# KiCad board VNA.kicad_pcb (continued)
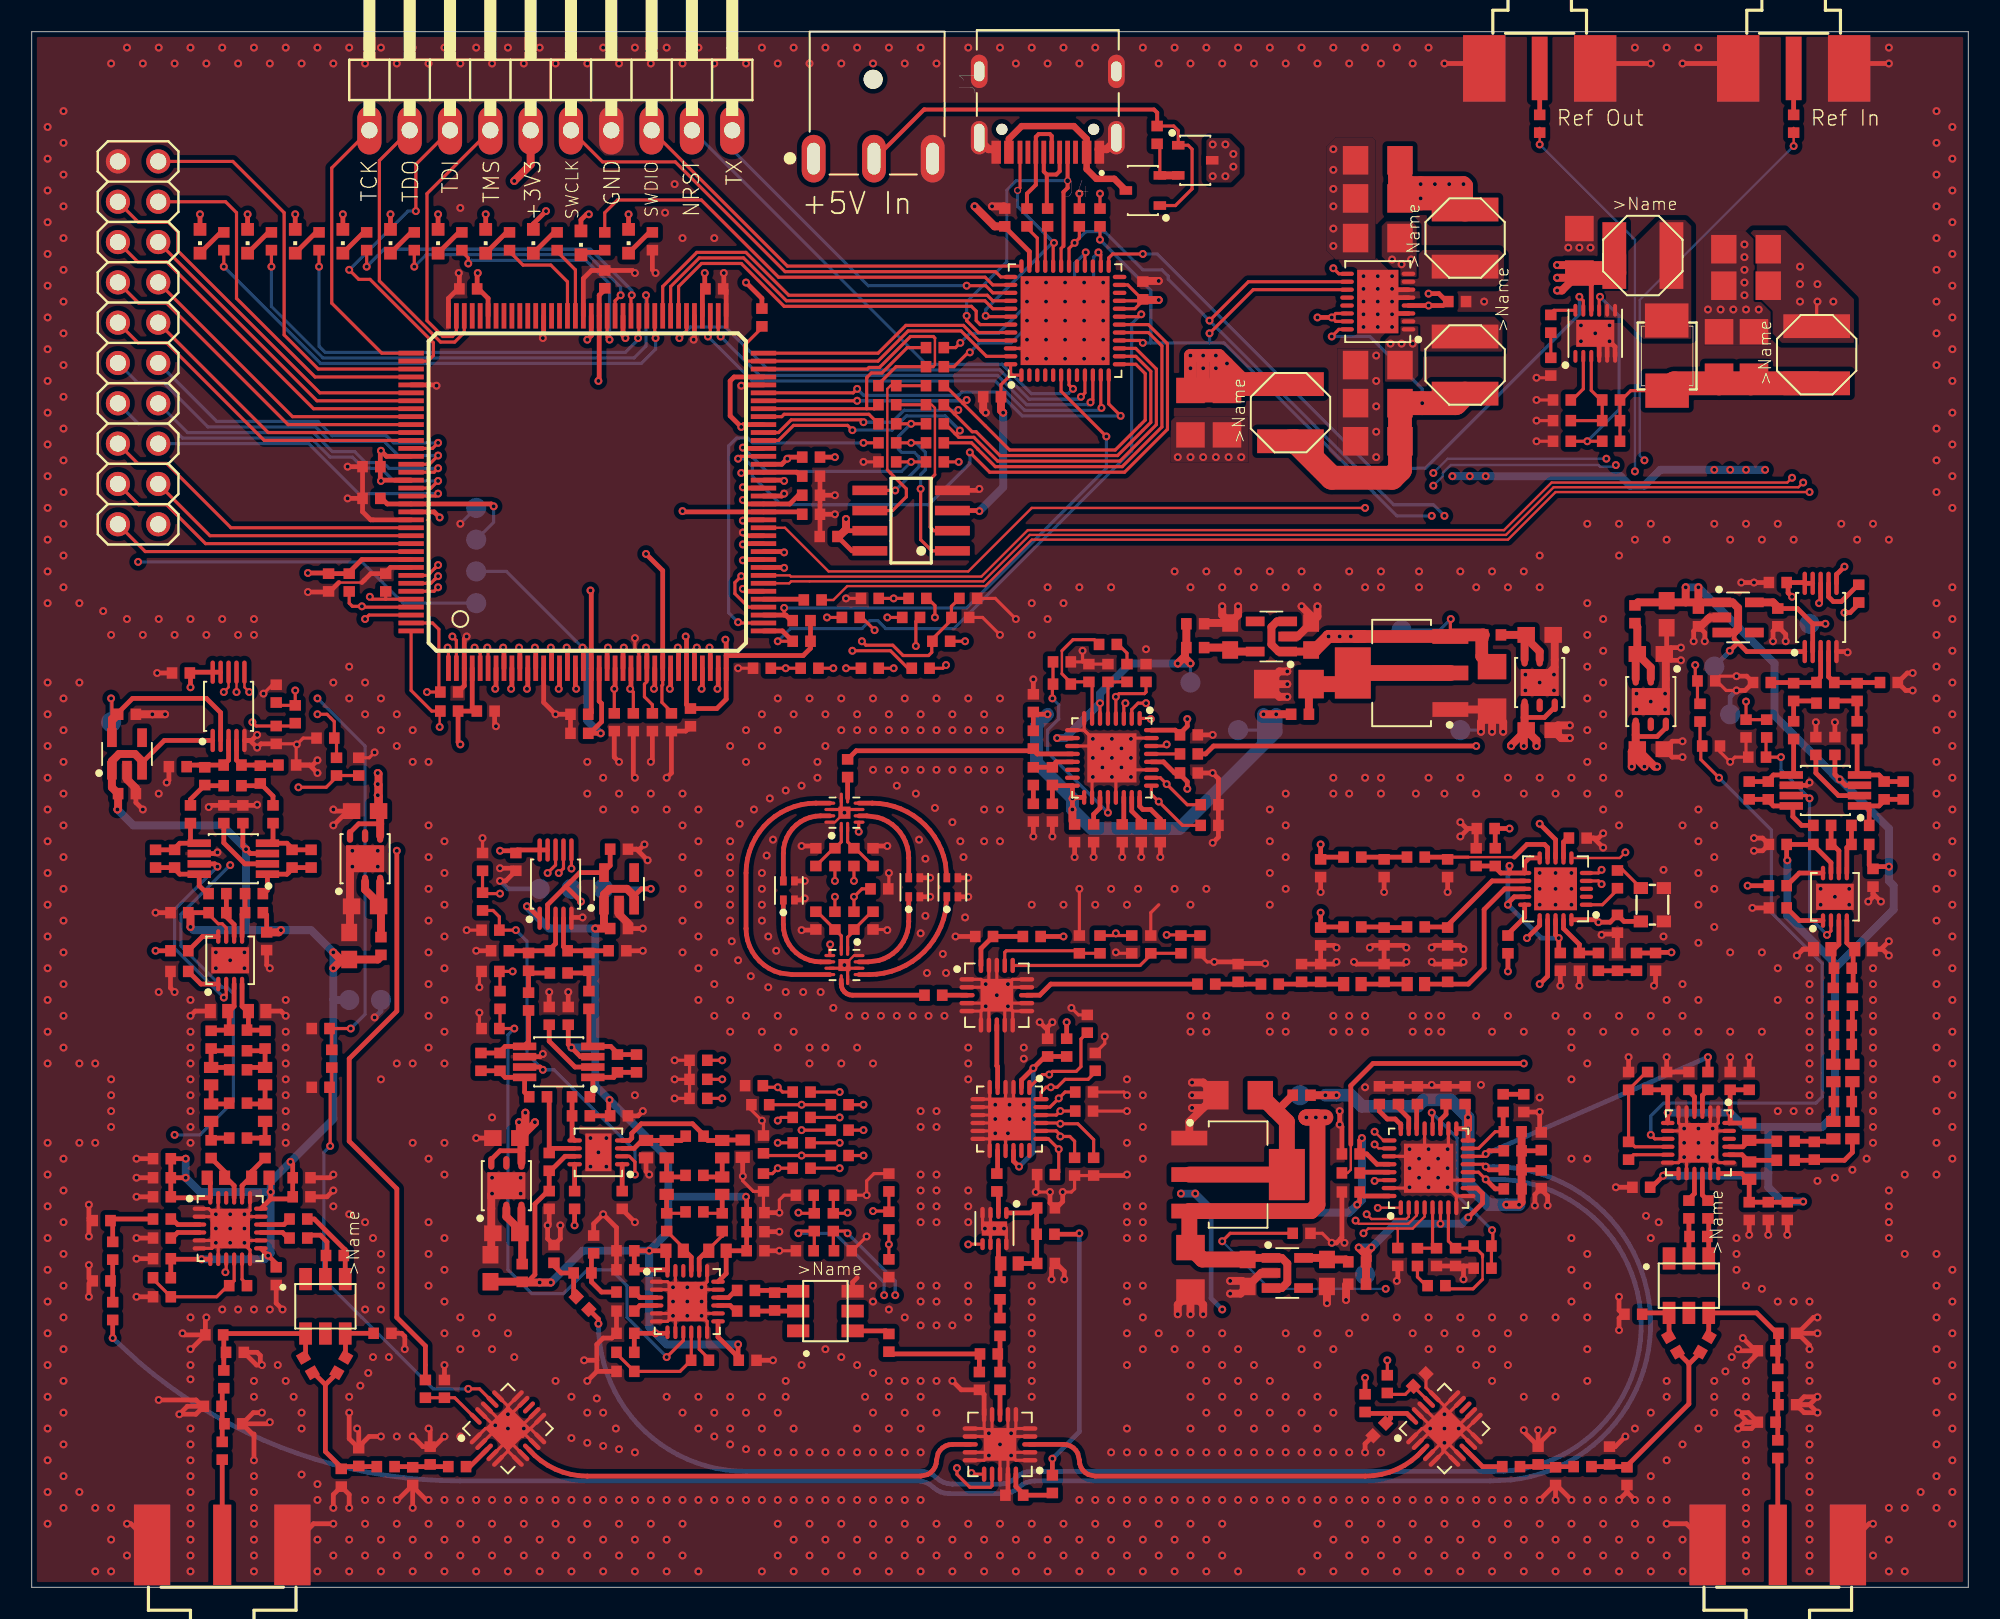
[diagram p0: board, top side]
## Nets (continued)
Net-(JP2-Pad13): JP2.13 U2.P117
Net-(JP2-Pad14): JP2.14 U2.P118
Net-(JP2-Pad15): JP2.15 U2.P115
Net-(JP2-Pad16): JP2.16 U2.P116
Net-(JP2-Pad17): JP2.17 U2.P112
Net-(JP2-Pad18): JP2.18 U2.P114
Net-(JP2-Pad19): JP2.19 U2.P111
Net-(LED1-PadC): LED1.C R120.1
Net-(LED2-PadC): LED2.C R134.1
Net-(LED3-PadC): LED3.C R135.1
Net-(LED4-PadC): LED4.C R136.1
Net-(LED5-PadC): LED5.C R137.1
Net-(LED6-PadC): LED6.C R138.1
Net-(LED7-PadC): LED7.C R139.1
Net-(LED8-PadC): LED8.C R140.1
Net-(LED9-PadC): LED9.C R141.1
Net-(LED10-PadC): LED10.C R142.1
Net-(Q1-Pad2): Q1.2 Q2.2 R125.2
Net-(R26-Pad2): R26.2 R27.2 R29.1
Net-(R42-Pad1): R42.1 R43.2 R44.1 R45.2 R46.2
Net-(R45-Pad1): R45.1 R48.1 R49.2 R52.2 T1.6
Net-(R46-Pad1): R46.1 R50.1 T1.4
Net-(R69-Pad1): R69.1 R70.2 R71.1 R72.2 R73.2
Net-(R72-Pad1): R72.1 R75.1 R77.2 R79.2 T2.4
Net-(R73-Pad1): R73.1 R76.1 T2.6
Net-(R104-Pad2): R104.2 R111.1 U1.6
Net-(R105-Pad2): R105.2 R112.1 U1.5
Net-(R106-Pad2): R106.2 R113.1 U1.2
Net-(R107-Pad2): R107.2 R114.1 U1.1
Net-(R123-Pad2): R123.2 U2.P43
Net-(R124-Pad2): R124.2 U2.P41
Net-(R126-Pad2): R126.2 U2.P50
Net-(R135-Pad2): R135.2 U2.P92
Net-(R136-Pad2): R136.2 U2.P93
Net-(R137-Pad2): R137.2 U2.P88
Net-(R138-Pad2): R138.2 U2.P87
Net-(R139-Pad2): R139.2 U2.P85
Net-(R140-Pad2): R140.2 U2.P84
Net-(R141-Pad2): R141.2 U2.P83
Net-(R142-Pad2): R142.2 U2.P82

Pads without a net: IC1 1; IC2 12 13; IC3 5; IC4 5; IC5 5; IC6 5; IC7 2 3; IC9 4; IC10 14 15; IC14 17 18; IC17 13; IC18 13; IC20 4; IC24 22; IC25 4; IC29 22; IC30 4; IC33 22; IC34 4; IC37 2 3 4 5 8 22 24 27 29; J4 A8 B8; T1 1 5; T2 1 5; T3 1 5; U2 P94 P95 P97 P98 P99 P100 P101 P102 P104 P105

## Via types
v1: diameter 0.5, hole 0.25, 1_top to 4_bot, 2136 vias
v2: diameter 0.45, hole 0.3, 1_top to 4_bot, 2 vias

## Routing (per net, layer and track width the routed paths; a pad name or vN(x,y) marks a point on that pad's centre or on a via; arc(x,y) is an arc through that point)
+3V3: length 386.6
  1_top w0.2: L27.1 24.8,14 ; IC37.23 69.05,82.05 70,81.1 ; 70,81.1 C207.1 69.91,81.05 IC37.21 ; 70,81.1 70,81.05 69.5,80.55 IC37.20 ; IC37.1 61.67,76.37 ; 61.67,76.37 IC37.48 ; 61.67,76.37 61.06,75.76 C206.1 ; R108.1 v1(58.4,70.9) ; R117.2 v1(66,87.8) ; R116.2 v1(67.3,87.8) ; C15.1 v1(73,76.8) ; U1.8 51.67,65.3
  1_top w0.3: IC26.9 IC26.10 10.1,57.65 10.05,57.6 C132.2 10,57.56 v1(10,56.7) 10.05,56.75 ; U2.P135 20.8,64.75 20,63.95 R130.2 C218.1 18.66,63.9 v1(17.4,63.9) 17.45,63.95 ; U2.P4 27.75,55.4 27.95,55.2 C216.1 R132.2 26.86,53.24 v1(27,53.1) ; U2.P20 35.75,55.82 35.9,55.67 35.9,54.53 35.17,53.8 C210.1 v1(35.85,53.8) ; IC10.28 71.3,52 72,51.3 C54.1 72.34,51.21 72.8,50.75 v1(72.8,50.3) ; R128.2 R127.2 49.06,59.16 48.6,58.7 43.75,58.7 ; IC21.28 84.75,26.65 84.1,27.3 C83.1 83.66,28.16 v1(83.8,28.3) ; C214.1 48.3,68.8 47.75,68.25 U2.P53 45.05,68.25 v1(44.8,68.5) ; L27.1 24.8,15.2 23,17 23,25.1 20,28.1 20,33.3 23,36.3 v1(23,46.4) ; IC35.9 IC35.10 30.6,46.45 30.5,46.35 C201.2 30.36,46.4 v1(29.5,46.4) 29.55,46.35 ; L25.2 v1(64.3,8.1) ; v1(66,22.3) 65.94,22.24 L23.1 ; L21.1 v1(65,41) ; v1(72.8,54.7) 72.8,54.25 72.34,53.79 C55.1 72.04,54 IC10.32 ; IC31.9 IC31.10 111.65,63.3 C169.2 110.65,63.21 110.65,62.65 v1(110.9,62.4) ; C29.2 92.2,47.8 ; 92.2,47.8 v1(93.1,47.8) ; 92.2,47.8 L10.1 ; IC7.20 98.55,42.05 v1(98.7,41.9) 99.44,41.9 C31.2 100.31,41.95 Y1.4 ; U2.P63 44.85,73.25 v1(44.7,73.1) 44,73.8 44,76 44.25,76.25 U2.P69 ; R121.2 v1(50.6,71.2) ; U2.P18 34.75,59.15 v1(34.7,59.2) ; v1(41.2,59.9) 41.25,59.85 U2.P31 41.25,55.61 C212.1 43.16,55.36 43.75,55.95 U2.P36 43.75,58.7 ; 43.75,58.7 43.75,59.65 v1(43.7,59.7) ; U2.P42 44.95,62.75 v1(44.8,62.9) ; 22.9,69.75 U2.P125 22.05,69.75 ; 22.05,69.75 v1(22,69.7) ; 22.05,69.75 21.96,69.84 C222.1 21.96,71.56 v1(22,71.6) 22.35,71.25 U2.P122 ; 42.35,82.75 v1(42.4,82.8) 42.4,81.84 ; v1(28.1,82.8) 28.15,82.75 28.06,82.66 C221.1 28.15,81.8 28.75,81.2 U2.P103 ; U2.P90 35.25,78.85 v1(35,78.6) ; R129.2 46,81.2 v1(45,82.2) ; v1(32.4,86.7) 31.6,85.9 LED3.A ; LED4.A v1(28.6,86.5) ; LED5.A v1(25.6,86.5) ; LED6.A v1(22.6,86.5) ; LED7.A v1(19.6,86.5) ; LED8.A v1(16.6,86.5) ; LED9.A v1(13.6,86.5) ; LED10.A v1(10.6,86.5) ; U1.7 51.22,66.57 ; U1.3 59.67,67.84 v1(59.7,67.8) ; IC37.35 62.85,84.15 61.35,85.65 ; LED2.A v1(37.6,86.5) ; v1(35.1,86.5) 34.95,86.5 34.6,86.15 LED1.A ; U2.P86 37.25,78.85 v1(37.4,78.7) ; U2.P76 42.25,81.7 42.35,81.8 C220.1 ; L22.1 v1(65.2,35.6) ; L26.1 v1(84,13.2) ; U2.P129 25.35,67.75 v1(25.7,67.4) ; 42.4,81.84 C220.1 ; 42.4,81.84 C220.1 ; 51.67,65.3 C209.1 ; v1(83.5,24.1) 83.66,24.26 C84.1 83.91,24.65 IC21.32
  1_top w0.5: JP1.5 31.43,89.63 v1(30.4,88.6) ; v1(51.3,67.3) 51.3,66.65 50.85,66.2 C209.1 ; C206.1 61.06,74.14 v1(61.2,74) ; v1(59.4,87) 60.66,85.74 C208.1 61.35,85.69 61.35,85.65 ; v1(71,81.1) 70.04,81.1 C207.1
  1_top w0.813: C15.1 v1(73,77.6) 74.8,77.6 v1(75.3,77.1) 76.6,75.8 76.8,75.8 ; v1(73.8,77.6) 73.8,75.4 ; v1(74.6,77.6) 74.6,76.1 C14.1 75.3,76.1 v1(74.6,76.8)
  1_top w1.5: C15.1 C14.1 75.7,75.8 L4.P$2
  3_pwr w0.3: v1(65,41) 68.3,37.7 68.4,37.7 ; 66,35.3 65.5,35.3 v1(65.2,35.6) ; v1(75,17.5) 79.3,13.2 v1(84,13.2)
  3_pwr w0.5: v1(23,46.4) 23,52 24.1,53.1 v1(27,53.1) ; v1(73.3,24.8) v1(72.4,24.8) 66,24.8 ; v1(93.1,47.8) 92.3,47 92.3,41.4 93.7,40 96.8,40 v1(98.7,41.9) 101.7,44.9 101.7,48 111.4,57.7 111.4,61.9 v1(110.9,62.4) ; 110.9,68.6 109.2,70.3
  3_pwr w1: v1(66,22.3) 66,35.3 68.4,37.7 ; 68.9,58.1 70.3,58.1 72.8,55.6 v1(72.8,54.7) v1(72.8,50.3)
  4_bot w0.2: TP2.TP 29.9,64 v1(34.7,59.2)
  4_bot w0.3: v1(64.3,8.1) 66,9.8 v1(66,22.3) ; v1(75,17.5) 74.3,18.2 74.3,23.4 74.5,23.6
  4_bot w0.5: v1(83.8,28.3) 83.8,24.4 v1(83.5,24.1) 83.15,23.75 83.13,23.75 82.98,23.6 74.5,23.6 v1(73.3,24.8) v1(72.4,24.8) ; v1(34.7,59.2) 35,58.9 35,54.6 35.8,53.8 v1(35.85,53.8) ; v1(89.5,70) v1(90.6,70) v1(91.6,70) 100.1,70 100.7,69.4 101.6,69.4 102.6,70.4 v1(109.2,70.4) ; v1(59.7,67.8) 61.2,69.3 v1(61.2,74)
  vias: v1(73.8,76.8) v1(106,70.4) v1(107,70.4) v1(108,70.4)
+5V: length 18
  1_top w0.2: IC2.15 82.15,79.75 v1(81.9,80) 82.15,80.25 IC2.14 ; C6.2 88.99,80.75 88.9,80.75
  1_top w0.3: IC2.4 v1(88,80.75) 88.9,80.75 ; 98.25,80.45 98.25,82.05 C1.1 ; v1(88,81.5) 88.65,81.5 89.15,81 C6.2 ; v1(81,80) v1(81.9,80)
  1_top w0.5: C1.1 97,83.3 v1(96.1,83.3) ; C1.1 97.2,82.5 v1(96.1,82.5) ; C1.1 96.4,81.7 v1(96.1,81.7)
  1_top w1.5: C1.1 99.7,82.8 L1.P$1
  vias: v1(74.4,90.9) v1(74.4,88.9) v1(75.2,90.9) v1(75.2,88.9) v1(75.7,90.3) v1(75.7,89.5) v1(85.6,78.35) v1(85.7,83.65) v1(86.3,83.35) v1(86.3,78.35) v1(86.9,83.65) v1(87,78.35)
GND: length 814.4
  1_top w0.15: IC12.12 51.8,39.8 v1(51.2,39.2) ; IC11.12 50.6,48.2 v1(51.2,48.8) ; 19.35,63.3 20.8,63.3 20.95,63.45
  1_top w0.2: IC24.2 11.65,23.35 12,23 ; 12,23 12.5,22.5 ; 12,23 11.15,23.85 IC24.1 ; 12,23 12.5,22.5 ; 12,23 11.75,23.25 11.75,24.53 ; 12.5,22.5 12.75,22.25 ; 12.5,22.5 12.75,22.25 ; 12.5,22.5 v1(12.5,22.6) ; 12.5,22.5 12.75,22.75 ; 12.5,22.5 12.75,22.25 ; 12.5,22.5 11.75,21.75 IC24.8 ; 12.5,22.5 11.85,21.85 IC24.5 ; 12.5,22.5 11.35,21.35 IC24.6 ; 12.75,22.25 13,22 12.75,22.25 ; 12.75,22.25 13.15,21.85 IC24.14 ; 12.75,22.25 13.75,21.25 IC24.12 ; 13.75,24.53 13.75,23.75 12.75,22.75 ; 12.75,22.75 13.35,23.35 IC24.17 ; IC18.4 30,9.29 ; 30,9.29 30,9.5 ; 30,9.29 IC18.7 ; 30,9.29 30,9.5 ; 30,9.5 v1(30,10) ; 30,9.5 30,8.59 ; 30,9.5 v1(30,10) ; 30,9.5 30,8.59 ; 30,9.5 v1(30,10) ; 30,9.5 30.91,9.5 IC18.11 ; 30,9.5 29.79,9.5 IC18.19 ; v1(30,10) 30.71,10 ; v1(30,10) 31.41,10 IC18.10 ; v1(30,10) 30.71,10 ; v1(30,10) 30,10.71 IC18.14 ; v1(30,10) 30,11.41 ; v1(30,10) 30,11.41 ; v1(30,10) IC18.18 ; v1(30,10) 29.29,10 IC18.2 ; v1(30,10) 28.59,10 IC18.1 ; IC18.5 30,8.59 ; 30,8.59 IC18.6 ; IC18.9 30.71,10 ; 30.71,10 IC18.12 ; IC18.15 30,11.41 ; 30,11.41 IC18.16 ; IC33.5 40.55,17.25 ; 40.55,17.25 41.15,17.85 ; 40.55,17.25 IC33.8 ; 40.55,17.25 41.15,17.85 ; 41.15,17.85 v1(41.3,18) 41.4,17.9 ; 41.15,17.85 40.05,16.75 IC33.6 ; 41.15,17.85 41.75,17.25 IC33.14 ; 41.15,17.85 41.4,18.1 ; 41.15,17.85 41,18 ; IC33.12 42.55,16.75 41.4,17.9 ; 41.4,17.9 40.05,19.25 IC33.1 ; IC33.17 42.05,18.75 41.4,18.1 ; 41.4,18.1 42.55,19.25 42.55,19.93 ; 40.55,19.93 40.55,18.45 41,18 ; 41,18 40.25,18.75 IC33.2 ; IC12.10 51.4,39 ; 51.4,39 v1(51.2,39.2) ; 51.4,39 IC12.8 ; 51.4,39 v1(51.2,39.2) ; v1(51.2,39.2) 51,39 IC12.5 ; IC11.10 51,49 ; 51,49 v1(51.2,48.8) ; 51,49 IC11.8 ; 51,49 v1(51.2,48.8) ; v1(51.2,48.8) 51.4,49 IC11.5 ; IC16.14 60.5,8.5 v1(61,9) ; v1(61,9) IC16.18 ; v1(61,9) 61.5,8.5 ; v1(61,9) 61.25,9.25 ; v1(61,9) 61.25,9.25 ; v1(61,9) 61.25,9.25 ; v1(61,9) 60.5,9.5 ; IC16.15 60,8 v1(60.3,8.3) ; IC16.19 61.5,8.5 ; 61.5,8.5 62,8 IC16.1 ; 61.5,8.5 IC16.2 ; IC16.4 61.5,9.5 ; 61.5,9.5 61.25,9.25 ; 61.5,9.5 IC16.7 ; 61.5,9.5 61.25,9.25 ; 61.25,9.25 62,10 ; 61.25,9.25 62,10 ; 61.25,9.25 61,9.5 60.5,9.5 ; IC16.5 62,10 ; 62,10 IC16.6 ; IC16.9 60.5,9.5 ; 60.5,9.5 IC16.12 ; 60.5,9.5 60,10 ; IC16.10 60,10 ; 60,10 v1(60.3,9.7) ; 60,10 IC16.11 ; 29.25,54.25 v1(29.25,54.25) ; IC10.11 67.3,53 67.6,52.7 ; 67.6,52.7 67.95,52.35 ; 67.6,52.7 66.3,54 ; 67.6,52.7 67.95,52.35 ; 67.6,52.7 66.3,54 ; 67.95,52.35 68,52.3 ; 67.95,52.35 68,52.3 ; 67.95,52.35 68.15,52.15 ; 68,52.3 v1(68.05,52.25) ; 68,52.3 v1(68.05,52.25) ; 68,52.3 68.15,52.15 ; v1(68.05,52.25) 66.8,51 IC10.18 ; IC10.9 66.3,54 ; 66.3,54 IC10.8 ; IC10.21 68.3,52 68.15,52.15 ; 68.15,52.15 68.8,51.5 IC10.27 ; 68.15,52.15 69.5,53.5 IC10.31 ; R17.2 C63.2 66.55,58.21 66.55,58.3 66.2,58.3 ; 66.2,58.3 C67.1 ; 66.2,58.3 v1(66.2,59) ; IC21.21 87.75,26.65 ; 87.75,26.65 v1(88,26.4) ; 87.75,26.65 87.25,27.15 IC21.27 ; v1(88,26.4) 88.1,26.5 ; v1(88,26.4) 87.85,26.25 ; v1(88,26.4) 88.1,26.5 ; v1(88,26.4) 88.45,25.95 ; IC21.18 89.25,27.65 88.1,26.5 ; IC21.31 86.75,25.15 87.85,26.25 ; 87.85,26.25 88.45,25.65 IC21.11 ; IC21.8 89.75,24.65 ; 89.75,24.65 88.45,25.95 ; 89.75,24.65 IC21.9 ; 89.75,24.65 88.45,25.95 ; IC17.18 v1(89,10) ; v1(89,10) 88.9,10 ; v1(89,10) 88.9,10 ; v1(89,10) 88.9,10 ; v1(89,10) 89,9.9 ; v1(89,10) 89,9.9 ; v1(89,10) 89.1,10 ; v1(89,10) 88.9,10 ; v1(89,10) 89.1,10 ; v1(89,10) 89,11.41 ; v1(89,10) 89,9.9 ; v1(89,10) 89,11.41 ; IC17.19 88.29,10 ; 88.29,10 88.9,10 ; 88.29,10 IC17.2 ; 88.29,10 88.9,10 ; 88.9,10 87.59,10 IC17.1 ; 88.9,10 88.9,9.8 ; IC17.4 89,9.29 89,9.9 ; 89,9.9 89,8.59 IC17.6 ; 89,9.9 89.81,9.9 IC17.9 ; 89,9.9 89.61,9.9 IC17.12 ; IC17.5 88.9,8.49 88.9,9.8 ; 88.9,9.8 88.9,9.39 IC17.7 ; IC17.10 90.41,10 ; 90.41,10 89.1,10 ; 90.41,10 IC17.11 ; 90.41,10 89.1,10 ; 89.1,10 89.1,10.81 IC17.14 ; IC17.15 89,11.41 ; 89,11.41 IC17.16 87.84,12.58 C236.2 ; IC14.12 60.35,28.25 ; 60.35,28.25 60.6,28.5 ; 60.35,28.25 IC14.13 ; 60.35,28.25 60.6,28.5 ; 60.6,28.5 v1(60.7,28.6) 60.6,28.5 ; 60.6,28.5 60.35,28.75 IC14.11 ; IC14.15 61.35,28.45 v1(61.5,28.6) ; IC14.10 61.35,29.25 v1(61.6,29.5) ; IC14.9 60.45,29.75 v1(60.7,29.5) ; IC14.8 60.8,30.25 ; 60.8,30.25 61.4,30.25 ; 60.8,30.25 60.73,30.33 ; 61.4,30.25 61.45,30.25 ; 61.4,30.25 61.35,30.3 IC14.4 ; 61.45,30.25 v1(61.6,30.4) ; 61.45,30.25 61.85,30.65 IC14.3 ; IC14.7 60.3,30.75 60.73,30.33 ; 60.73,30.33 60.35,30.7 IC14.6 ; IC13.19 60.3,38.2 v1(60.1,38) ; v1(60.1,38) 59.8,38.3 IC13.1 ; v1(60.1,38) 59.9,37.8 IC13.2 ; IC13.18 v1(60.8,37.3) 61.1,37 ; IC13.15 61.8,38.3 v1(61.5,38) 61.7,37.8 IC13.14 ; IC13.12 61.3,36.8 ; 61.3,36.8 61.1,37 ; 61.3,36.8 61.4,36.7 ; 61.3,36.8 61.1,37 ; 61.3,36.8 IC13.9 ; IC13.11 61.8,36.3 ; 61.8,36.3 61.4,36.7 ; 61.8,36.3 IC13.10 ; 61.8,36.3 61.4,36.7 ; IC13.4 59.9,36.8 v1(60.1,36.6) ; v1(60.1,36.6) 59.8,36.3 ; v1(60.1,36.6) 59.8,36.3 ; v1(60.1,36.6) 60.3,36.4 IC13.7 ; IC13.5 59.8,36.3 ; 59.8,36.3 IC13.6 ; IC15.6 60.4,22.35 60.53,22.47 ; 60.53,22.47 v1(60.65,22.6) ; 60.53,22.47 60.4,22.6 IC15.3 ; IC15.8 61.4,22.45 v1(61.25,22.6) ; v1(60.05,22.6) 59.9,22.75 IC15.4 ; IC29.8 104.25,28.75 ; 104.25,28.75 104.55,28.45 ; 104.25,28.75 IC29.5 ; 104.25,28.75 104.55,28.45 ; 104.55,28.45 104.6,28.4 ; 104.55,28.45 104.6,28.4 ; 104.55,28.45 103.75,29.25 IC29.6 ; 104.6,28.4 v1(105,28) ; 104.6,28.4 v1(105,28) ; 104.6,28.4 v1(105,28) ; v1(105,28) 105.1,28.1 ; v1(105,28) 105.75,27.25 IC29.17 ; v1(105,28) 104.25,27.25 IC29.14 ; IC29.2 105.75,28.75 ; 105.75,28.75 105.35,28.35 ; 105.75,28.75 IC29.23 ; 105.75,28.75 105.15,28.15 ; 105.35,28.35 105.15,28.15 ; 105.35,28.35 106.25,29.25 IC29.1 ; 105.15,28.15 105.1,28.1 ; 105.1,28.1 103.75,26.75 IC29.12 ; IC29.19 106.25,26.75 v1(105.9,27.1) ; R115.2 v1(52.4,70.9) ; IC37.46 63.25,78.05 v1(63.9,77.4) ; 20.05,45.55 20.4,45.9 IC3.7 20.7,45.9 v1(20.2,45.4) ; R3.1 v1(94.8,72.2) ; R5.1 v1(94.8,73.5) ; C4.1 v1(94.8,74.8) ; v1(94.8,76.2) 95.65,76.2 95.65,76.29 C5.1 ; C223.2 v1(28.4,47.2) ; C224.2 v1(27.4,41.4) ; 28.2,38.75 v1(28.2,37.8) ; 28.2,35.25 v1(28.2,36.2) ; 16.75,53.05 v1(16.7,53.1) ; 16.75,53.05 16.66,52.96 C127.2 ; 16.75,53.05 16.66,53.14 C228.2 ; v1(16.7,53.1) 16.65,53.05 ; v1(16.7,53.1) 17.1,53.5 C229.2 ; v1(107.4,56.5) 106.75,56.5 106.15,57.1 C234.2 106.36,57.4 v1(107.4,57.4) ; C232.2 108,52.35 108.05,52.3 C231.2 107.3,52.3 v1(107,52) 106.36,52.64 C233.2 ; C246.2 v1(66,44) ; C248.2 70.5,42.5 71,43 ; v1(74.5,39.4) 74.05,39.4 73.6,39.85 C247.2 ; C237.2 47.4,24.7 47.1,24.4 v1(47.1,23.6) ; C238.2 v1(47.1,21.2) ; 52.6,22.05 v1(52.6,22.1) 51.7,21.2 C240.2 ; C239.2 v1(52.6,24.7) 52.6,25.6 53.06,26.06 C243.2 ; v1(64.15,24.9) v1(63.25,24.9) ; C261.2 C259.2 65.7,25.1 65.5,24.9 v1(64.95,24.9) ; C256.2 v1(69,30) ; C254.2 68.8,31.2 v1(69,31) ; 44.79,25.91 44.79,25.61 45.46,24.94 C258.2 46.1,23.66 C177.2 ; C260.2 46.1,29.3 v1(46,29.4) 45.25,30.15 ; C255.2 v1(40.5,32) ; C255.2 C253.2 v1(40.5,33.2) ; C255.2 C262.2 v1(40.5,30.8) ; U2.P25 38.25,58.85 38,59.1 v1(38,59.8) ; C235.2 81.3,22.3 v1(81.9,21.7) ; C271.2 v1(51.3,62.3) ; C273.2 v1(44.5,57.9) ; C267.2 60.7,62.3 v1(62,61) ; R11.1 59.9,61.1 v1(61,60) ; R172.2 3.75,19.3 3.6,19.45 ; R169.2 3.6,23.1 ; C230.2 21.26,52.26 v1(21.6,52.6) ; C227.2 15.16,56.86 v1(14.6,56.3) ; C252.2 67.6,34.26 v1(67.6,34.7) ; C250.2 65.94,36.06 v1(65.5,36.5) ; R18.2 53.05,46.61 53.05,46.7 ; R19.2 49.35,46.61 49.35,46.7 ; R23.2 53.76,41.44 53.85,41.35 ; R25.2 49.36,41.4 49.35,41.4 ; C265.2 54,44.04 v1(54,45) ; C245.2 68.36,39.94 v1(68.3,40) ; R9.1 76.01,39.26 76.05,39.3
  1_top w0.3: IC23.6 11.62,46.23 ; C132.1 v1(7.9,57.6) ; L53.2 38.7,26.2 v1(38.9,26) ; C172.2 v1(47.1,21.2) ; C193.2 v1(47.1,22.4) ; C177.2 v1(47.1,23.6) ; IC32.6 32.03,33.43 v1(32.2,33.6) ; C182.2 v1(32.6,37.5) ; C181.1 v1(33.8,37.5) ; C187.1 v1(28,40.1) ; U2.P136 22.6,64.25 22.3,63.95 R131.1 21.36,63.86 20.8,63.3 ; U2.P13 32.25,55.75 v1(33,55) C217.2 C210.2 ; R39.2 C90.2 90.2,20.24 ; 90.2,19.55 v1(90.2,19.4) 90.2,20.24 ; C87.2 C89.2 R30.1 88.29,31.56 ; C85.2 C88.2 88.29,31.56 ; 94.9,29.85 v1(95,29.95) ; v1(95,29.95) 94.99,29.94 R38.1 ; v1(95,29.95) 95,28.76 C94.2 ; U2.P54 47.25,68.75 v1(47.4,68.9) ; 82.45,29.1 v1(82.4,29.15) ; v1(82.4,29.15) v1(82.4,30) ; v1(82.4,29.15) 82.54,29.01 C83.2 ; 82.45,21.95 v1(82.7,21.7) ; 82.45,21.95 82.2,21.7 v1(81.9,21.7) ; 82.45,21.95 82.54,22.04 C84.2 ; IC28.6 111.83,50.53 v1(112,50.7) ; IC31.5 114.35,58.95 v1(114.4,58.9) ; U2.P49 45,66.25 v1(44.8,66.45) ; R122.1 C214.2 ; C214.2 v1(50.6,68.8) ; C214.2 C215.2 ; C215.2 v1(50.6,67.6) ; C215.2 49.66,66.22 C209.2 ; 17.45,62.65 v1(17.4,62.7) 18.66,62.7 C218.2 18.79,62.74 19.35,63.3 ; U2.P130 21.35,67.25 20.84,67.76 C211.2 ; C211.2 C222.2 v1(19.9,70.6) ; C211.2 v1(19.9,68.6) ; U2.P73 43.75,81.7 43.65,81.8 C220.2 43.6,81.84 v1(43.6,82.8) 43.65,82.75 ; U2.P108 26.25,81.2 26.85,81.8 C221.2 26.94,82.66 26.85,82.75 v1(26.9,82.8) ; U2.P91 34.75,82.45 35.26,82.96 C219.2 37.84,82.96 v1(38,82.8) ; U2.P77 41.75,78.65 v1(41.7,78.6) ; U2.P96 32.25,78.75 v1(32.2,78.7) ; U2.P113 25.45,75.75 v1(25.5,75.7) ; U1.4 59.61,69.11 v1(59.7,69.2) ; C108.2 v1(6.6,27) ; C119.2 v1(6.6,25.8) ; C105.2 v1(6.6,24.6) ; C111.2 18.6,24.6 v1(19,25) ; C122.2 18.8,25.8 v1(19,26) ; C117.2 v1(6.6,22) ; C104.2 v1(6.6,20.7) ; C118.1 v1(6.6,18.3) ; C106.2 15.4,17.9 v1(15.8,17.5) ; R51.2 14.9,10.3 v1(15,10.4) ; R51.2 13.96,11 v1(14.5,11) ; R51.2 13.91,9.65 14,9.65 v1(14,8) ; R47.1 9.8,11.4 v1(9.3,10.9) 10.34,10.9 R47.1 ; R47.1 10.75,11.4 10.35,11.8 v1(8,11.8) ; R50.2 23.3,16 23.5,15.8 v1(23.5,15) ; C103.1 v1(7.8,42.5) ; C102.1 14.8,39.2 v1(15,39) ; IC26.5 13.6,53.35 ; 13.6,53.35 13.85,53.35 v1(14.2,53.7) ; 13.6,53.35 13.75,53.35 v1(14.2,52.9) 14.44,53.14 C228.2 ; v1(18,52.1) 17.7,51.8 C127.2 17.5,51.8 v1(18,51.3) ; v1(19,49) 19.1,48.9 C18.1 19.9,48.9 v1(19,48) ; L30.2 10.3,36.3 v1(10,36) ; L31.2 15.7,36.3 v1(16,36) ; IC35.5 34.05,42.2 v1(34.7,42.2) ; v1(38.6,46.8) 38.3,46.5 C198.2 38.1,46.5 v1(38.8,45.8) ; v1(38.5,41.5) C195.2 37.65,41.59 37.65,41.75 ; C189.2 v1(38.5,40.1) ; C205.1 32.6,22.9 v1(32.5,22.8) 32.5,21.96 R175.2 33.3,21.96 v1(33.3,22.8) ; 37.95,23 v1(38,23) 37.2,23.8 C199.1 ; C171.2 C190.2 36.84,22.66 v1(36,23.5) 35.4,22.9 R174.2 ; C175.2 v1(46.7,14.3) ; v1(44.8,25.9) 44.79,25.91 L52.2 44.79,26.71 ; C204.1 38.2,29.7 v1(38.5,30) ; T3.4 51.72,19.22 52,19.5 ; LP1.3 48.7,44.5 v1(48.7,44.5) ; LP1.2 48.6,43.3 v1(48.7,43.4) ; LP2.3 56.6,44.7 v1(56.6,44.7) ; LP2.2 v1(56.6,43.5) ; LP3.3 59,44.7 v1(59,44.7) ; LP3.2 59,43.5 v1(59,43.5) ; 53.05,46.7 v1(53.9,46.7) ; 49.35,46.7 v1(48.5,46.7) ; 49.35,41.4 v1(48.5,41.4) ; 53.85,41.35 v1(53.9,41.4) ; R14.1 v1(63.1,47.3) ; C61.2 v1(64.3,47.3) ; C56.2 v1(65.7,46) ; C59.2 v1(66.9,46) ; R10.1 v1(68.7,46) ; C60.2 v1(69.9,46) ; C58.2 v1(71.1,46) ; C54.2 v1(74.4,51.3) 74.76,50.94 C272.2 C274.2 74.76,47.26 v1(74.4,46.9) ; C55.2 v1(74.4,53.7) ; C64.2 v1(63.1,57.2) ; v1(64.3,35.6) 64,35.3 C70.2 64,35.1 v1(63.5,35.6) ; C69.2 v1(58.2,41) ; 75.95,39.4 v1(74.5,39.4) ; 76.05,39.3 v1(77.7,39.3) ; C47.2 R7.2 ; C47.2 C45.2 82.06,40.44 v1(82.2,40.3) 82.15,40.35 ; C47.2 82.06,39.26 v1(82.2,39.4) ; C41.2 C43.2 ; C41.2 84.44,40.44 v1(84.3,40.3) ; C41.2 86.46,40.44 v1(86.6,40.3) ; C43.2 86.46,39.26 v1(86.6,39.4) ; C43.2 83.44,39.26 v1(83.3,39.4) ; C37.2 v1(89.2,43.8) ; C42.2 v1(85.2,43.8) ; C46.2 v1(81.2,43.8) ; v1(90,47.3) 90.5,47.8 C29.1 91,47.76 C32.1 ; 90.4,47.8 v1(90,48.2) ; v1(99,47.5) 98.7,47.2 R6.1 98.4,47.2 v1(99,46.6) ; C33.1 v1(96.3,37.9) ; C35.2 v1(97.5,37.9) ; C44.2 102.3,38 v1(102.2,37.9) ; R67.2 v1(94.9,9.9) ; R67.2 94.9,9 v1(95.8,9.9) ; R67.2 94.85,8.91 94.85,8.95 94,9.8 ; R68.1 v1(96,5.5) ; 100.5,6 R70.1 100.5,6 ; 100.5,6 v1(101,5.5) ; 100.5,6 v1(100,5.5) ; R74.1 108.1,10.4 v1(107.5,11) 108.14,11 R74.1 ; R74.1 107.9,10.4 v1(107.5,10) 108.34,10 R74.1 ; R78.2 112,11.5 ; R78.2 112,11.5 ; R78.2 111.66,12 v1(112.5,12) 112,11.5 ; R78.2 111.66,11 v1(112.5,11) 112,11.5 ; 104.02,3 v1(104,3) ; v1(103,4) 104.25,4 J3.G@1 ; v1(116,4) 115.75,4 J3.G@2 ; C155.1 v1(100.6,33.4) ; v1(103,33.4) C142.2 C154.2 ; C143.2 v1(107,33.4) ; C159.2 v1(108.2,33.4) ; C141.2 v1(99.8,25.2) ; C148.2 v1(108.2,22.2) ; C156.2 v1(109.4,22.2) ; C145.2 v1(110.6,22.2) ; 111.6,40.2 L38.2 111.6,40.2 ; 111.6,40.2 v1(111.2,39.8) ; v1(117,40.7) 116.5,40.2 L39.2 116.6,40.2 v1(117,39.8) ; v1(115.7,43.2) 116,43.5 C140.1 116,43.7 v1(116.5,43.2) ; C134.1 v1(108.4,42.8) ; C153.2 v1(112.4,54.5) ; C152.1 v1(113.6,54.5) ; v1(104,53.3) 103.35,53.3 C19.1 103.35,52.3 v1(104,52.3) ; C23.1 103.25,58.4 v1(103.9,58.4) ; C23.1 103.25,59.2 v1(103.9,59.2) ; C23.1 103,58.95 C27.1 ; C169.1 v1(108.5,63.3) v1(107.7,63.3) ; v1(6,4) 6.25,4 J2.G@1 ; v1(19,4) 17.75,4 J2.G@2 ; R40.2 v1(24,5) ; R40.2 24,6.35 24.85,5.5 v1(25,5.5) ; R40.2 23.06,5.5 v1(23,5.5) ; v1(89,96) 91.29,96 91.51,95.78 ; v1(102,96) 98.71,96 98.49,95.78 ; v1(104,96) 107.29,96 107.51,95.78 ; v1(117,96) 114.71,96 114.49,95.78 ; R44.2 20.6,9.9 v1(20.5,10) ; R44.2 20,9.36 v1(20,11) ; R44.2 20.6,8.85 21.25,9.5 v1(22,9.5) ; R41.1 25.1,9.9 v1(25,10) ; R41.1 24.9,8.86 ; R41.1 24.9,8.86 ; C76.2 v1(26,14) ; C20.1 v1(28,28.3) ; IC5.7 30.4,24.8 v1(30.8,24.8) ; 64.25,20.1 v1(64.25,19.4) ; v1(65.05,19.4) 65.05,19.9 64.55,20.4 C73.2 ; v1(64.95,24.9) 64.95,24.3 64.55,23.9 C72.2 64.15,24.21 v1(64.15,24.9) ; v1(95.5,24.05) 95.5,24.65 95.1,25.05 C91.2 94.7,24.74 v1(94.7,24.05) ; v1(100,18.3) 100,17.45 100.25,17.2 ; v1(100,16.2) 100,16.95 100.25,17.2 ; v1(107.5,15) 107.6,14.9 R79.1 108.6,14.9 v1(107.8,15.7) ; 108.65,14.65 v1(108,14) ; 111.3,16 R75.2 111.25,16 112,15.25 v1(112,15) ; 111.3,16 v1(112.5,16) ; 111.3,16 111.3,16.05 112.25,17 v1(112.5,17) ; R31.1 86.06,19.36 v1(86,19.3) ; 96.15,6.35 v1(97,5.5) ; 95.85,6.35 v1(95,5.5) ; v1(10,15) 10,15.05 10.09,15.05 R52.1 ; IC2.5 84.15,81.25 v1(83.9,81) ; IC2.6 84.85,81.75 v1(84.8,81.8) ; IC2.3 84.85,80.25 v1(84.8,80.2) ; IC1.5 99.25,78.35 v1(99.4,78.5) 99.75,78.15 IC1.6 ; IC1.4 98.75,78.75 v1(98.5,79) ; C40.2 C31.1 99.81,41.15 98.95,41.15 v1(98.9,41.1) ; C266.2 36.7,52.3 v1(37,52) ; C264.2 37.9,51.1 v1(38,51) ; C263.2 39.1,52.1 v1(39,52) ; v1(40,51) 40.3,51.3 C213.2 41.2,53.94 C212.2 ; C77.2 84,9.04 v1(84,8.5) ; v1(3.6,24.1) v1(3.6,22.1) ; v1(3.6,18.3) 3.6,19.15 ; 3.6,19.45 v1(3.6,20.3) ; C186.1 35.6,13.6 ; 35.6,13.6 v1(35,13) ; 35.6,13.6 35.6,14.3 ; C185.2 C180.2 36.54,15.7 36,15.7 35.6,15.3 35.6,14.3 ; 35.6,14.3 v1(34.8,14.3) ; v1(27.4,59.9) 27.25,59.75 U2.P3 27.25,56.79 R133.1 ; 10.94,16.94 v1(11,17) 10.94,16.94 ; 10.94,16.94 R52.1 ; R52.1 9.6,15.9 v1(9.5,16) ; 24.9,8.86 24.64,8.86 v1(24,9.5) ; 24.9,8.86 25.36,8.86 v1(26,9.5) ; v1(20,5) 20,5.84 R43.1 19,5.84 v1(19,5) ; v1(9,37.5) 8.74,37.76 C97.1 ; v1(14.2,49.3) 14.16,49.26 C115.1 C116.2 11.26,49.26 v1(11.15,49.15) ; v1(7,49) 6.56,49.44 C129.2 ; C125.1 8.64,50.84 v1(8.5,50.7) ; C216.2 29.16,54.34 29.25,54.25 ; R134.2 39.1,83 v1(39.3,82.8) ; v1(29.5,45.3) 30.34,45.3 C201.1 29.86,44.5 v1(29.5,44.5) ; C225.2 28.29,38.75 28.2,38.75 ; C226.2 28.29,35.25 28.2,35.25 ; IC16.10 60,12.14 R28.1 58.56,12.44 v1(58,13) ; C75.2 61.5,5.96 IC16.19 ; C257.2 63.34,24.94 63.3,24.9 ; C261.2 68.94,25.94 v1(69,26) ; v1(90.2,40.2) 89.96,40.44 C36.2 88.34,40.44 v1(88.2,40.3) ; v1(88.2,39.4) 88.34,39.26 C38.2 90.06,39.26 v1(90.2,39.4) ; 88.29,31.56 v1(88.2,31.65) ; 90.2,20.24 90.7,20.24 C95.1 ; C166.2 104.7,60.24 v1(104.7,59.6) ; C166.2 105.4,60.14 v1(105.4,59.6) ; C166.2 105,60.5 105.05,60.45 ; v1(110.5,59.6) 110.5,60.04 C168.2 109.7,60.24 v1(109.7,59.6) ; v1(118.5,57.6) 118.16,57.6 C164.2 118.06,56.5 v1(118.5,56.5) ; v1(107.4,57.4) 108.04,57.4 C162.1 107.94,56.5 v1(107.4,56.5) ; v1(108.5,46.4) 109.04,46.4 C139.1 109.04,47.2 v1(108.5,47.2) ; 100.25,17.2 R76.2 100.25,17.2 ; R71.2 99.76,8.86 v1(100.4,9.5) ; R48.2 14.2,14.8 14.4,14.6 14.4,14.1 v1(14.5,14) 14.16,14 R48.2
  1_top w0.305: U2.P68 44.75,75.75 v1(44.7,75.7)
  1_top w0.5: IC25.2 6,50.9 6.56,50.34 C129.2 ; IC3.7 20.6,45.9 20.5,46 20.05,45.55 IC3.1 20.05,42.5 ; 20.05,42.5 20.05,41.3 C26.1 ; 20.05,42.5 20.15,42.6 C22.1 ; v1(29,24.8) 28.95,24.75 IC5.1 28.95,22 ; 28.95,22 28.95,21 C28.1 ; 28.95,22 29.05,22.1 C24.1 ; IC34.2 37,42.4 37.65,41.75 ; C25.1 95.95,59.9 IC6.1 95.95,57.95 v1(95,57) ; IC8.1 91.9,55.3 C49.2 ; C49.2 v1(92,53.9) ; C49.2 92.7,54.5 v1(92.7,53.9) ; C49.2 91.3,54.5 v1(91.3,53.9) ; IC9.2 79.75,59.9 C50.2 ; C50.2 80.6,61.2 v1(80,61.8) ; C50.2 81,61.15 v1(81,61.8) ; v1(75,61.8) 75,61.25 C52.2 ; C52.2 76,61.25 v1(76,61.8) ; C52.2 73.91,60.75 C57.2 ; v1(79.1,57.7) 78.6,57.7 C53.2 ; C53.2 v1(79.1,56.9) ; C53.2 78.6,56.1 v1(79.1,56.1) ; v1(96.9,54.3) 96.15,54.3 C21.1 96.35,53.5 v1(96.9,53.5) ; C82.2 73.8,31.8 v1(73.1,31.8) ; C82.2 v1(73.1,31) ; C82.2 73.8,30.2 v1(73.1,30.2) ; C82.2 72.93,29.33 IC19.1 ; C78.2 v1(73,17.2) ; C78.2 73.8,17.8 v1(73.8,17.2) ; C78.2 72.2,17.8 v1(72.2,17.2) ; v1(75.5,19.3) 76.25,19.3 C79.2 ; C79.2 76.15,18.5 v1(75.5,18.5) ; C79.2 77.45,19.8 IC20.2 ; C81.2 v1(81.6,17.9) ; v1(82.8,18.1) 82.8,19.05 82.89,19.05 C86.2 ; v1(102.9,56.3) 102.95,56.35 IC4.1 102.95,58.7 C23.1 ; IC30.2 105.72,61.1 105.62,61 105.6,61 105.05,60.45 ; v1(60.5,87) 61.25,87 61.25,86.91 C208.2 ; C131.2 v1(7.6,55) v1(8.4,55) ; 67.2,90.6 67.72,90.6 68.32,91.2 ; 60.8,90.6 60.28,90.6 59.68,91.2 ; C206.2 59.94,74.16 v1(60.1,74) ; v1(71,82.3) 70.04,82.3 C207.2
  4_bot w0.2: TP12.TP 91.2,54 v1(91.3,53.9) ; TP4.TP v1(27,67)
  4_bot w0.3: TP6.TP 22,36.3 v1(21.6,35.9) ; TP10.TP 30,44 v1(29.5,44.5) ; v1(19,4) 17.75,4 J2.G@2 ; J2.G@1 6.25,4 v1(6,4) ; J3.G@1 104.25,4 v1(103,4) ; J3.G@2 115.75,4 v1(116,4) ; v1(117,96) 114.71,96 114.49,95.78 ; v1(104,96) 107.29,96 107.51,95.78 ; v1(89,96) 91.29,96 91.51,95.78 ; v1(102,96) 98.71,96 98.49,95.78 ; TP8.TP 107,56.1 v1(107.4,56.5)